# Altium PCB PCB.PcbDoc
Units mm, origin at the board's own origin, x right, y up, seen from the top; angles counter-clockwise.
Board outline 100 x 55 mm, 2 copper layers (Top Layer, Bottom Layer); 16 components, 26 nets, 101 pads, 4 vias.
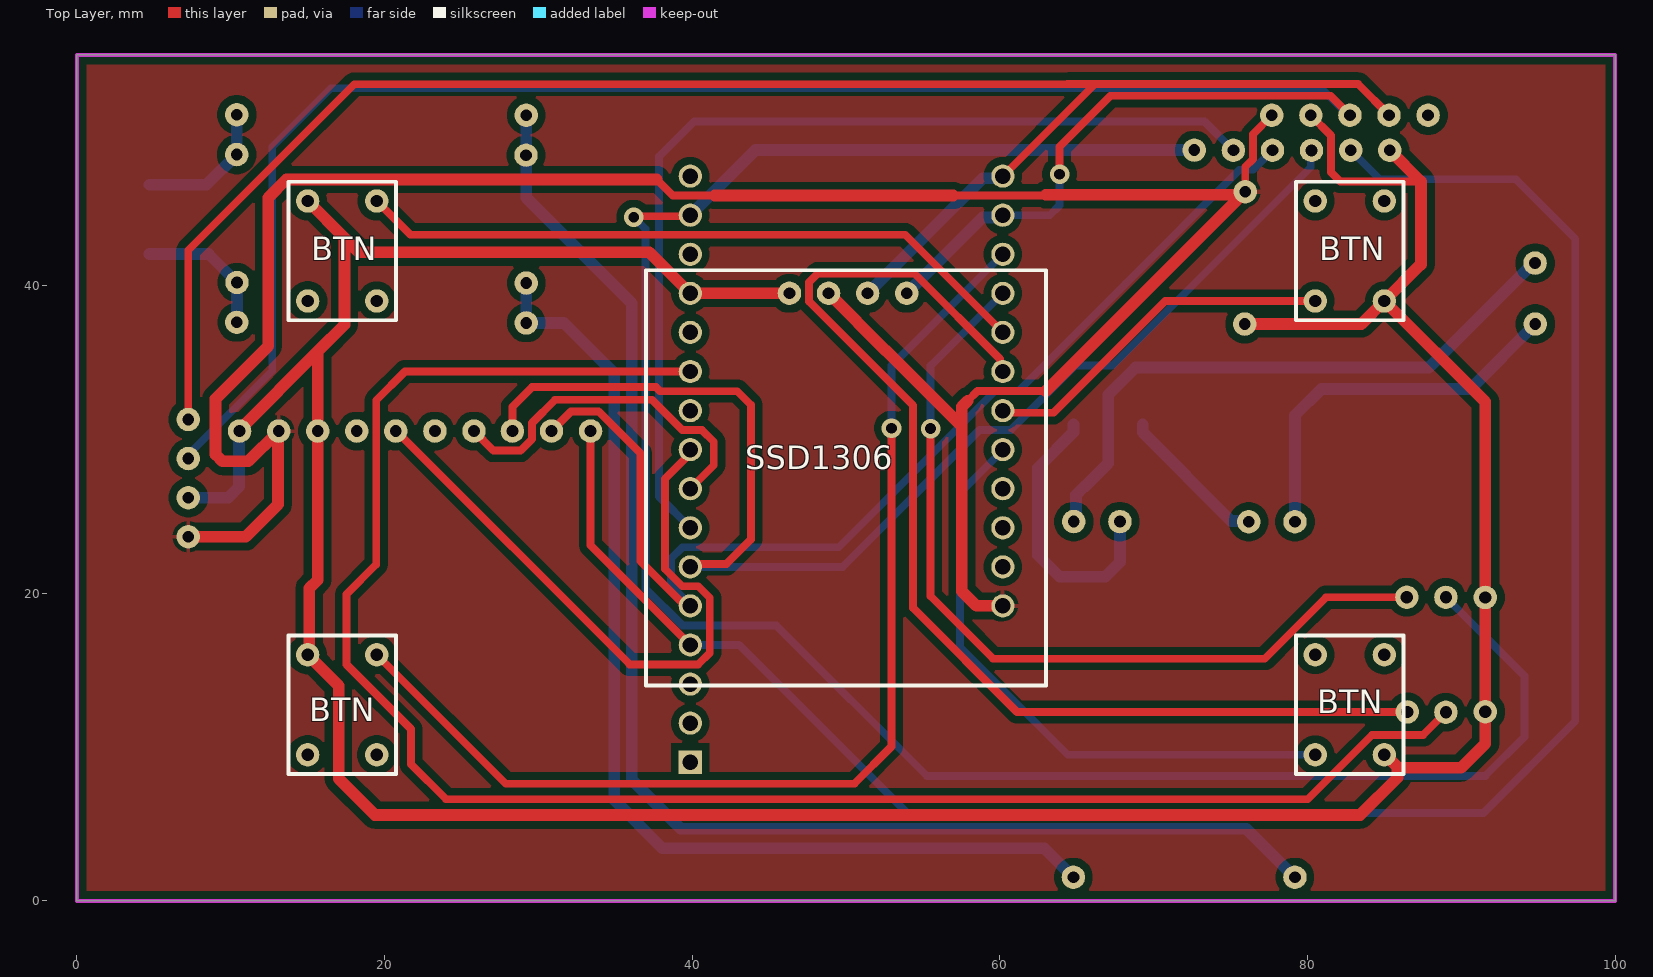
[diagram p0: Top Layer view]
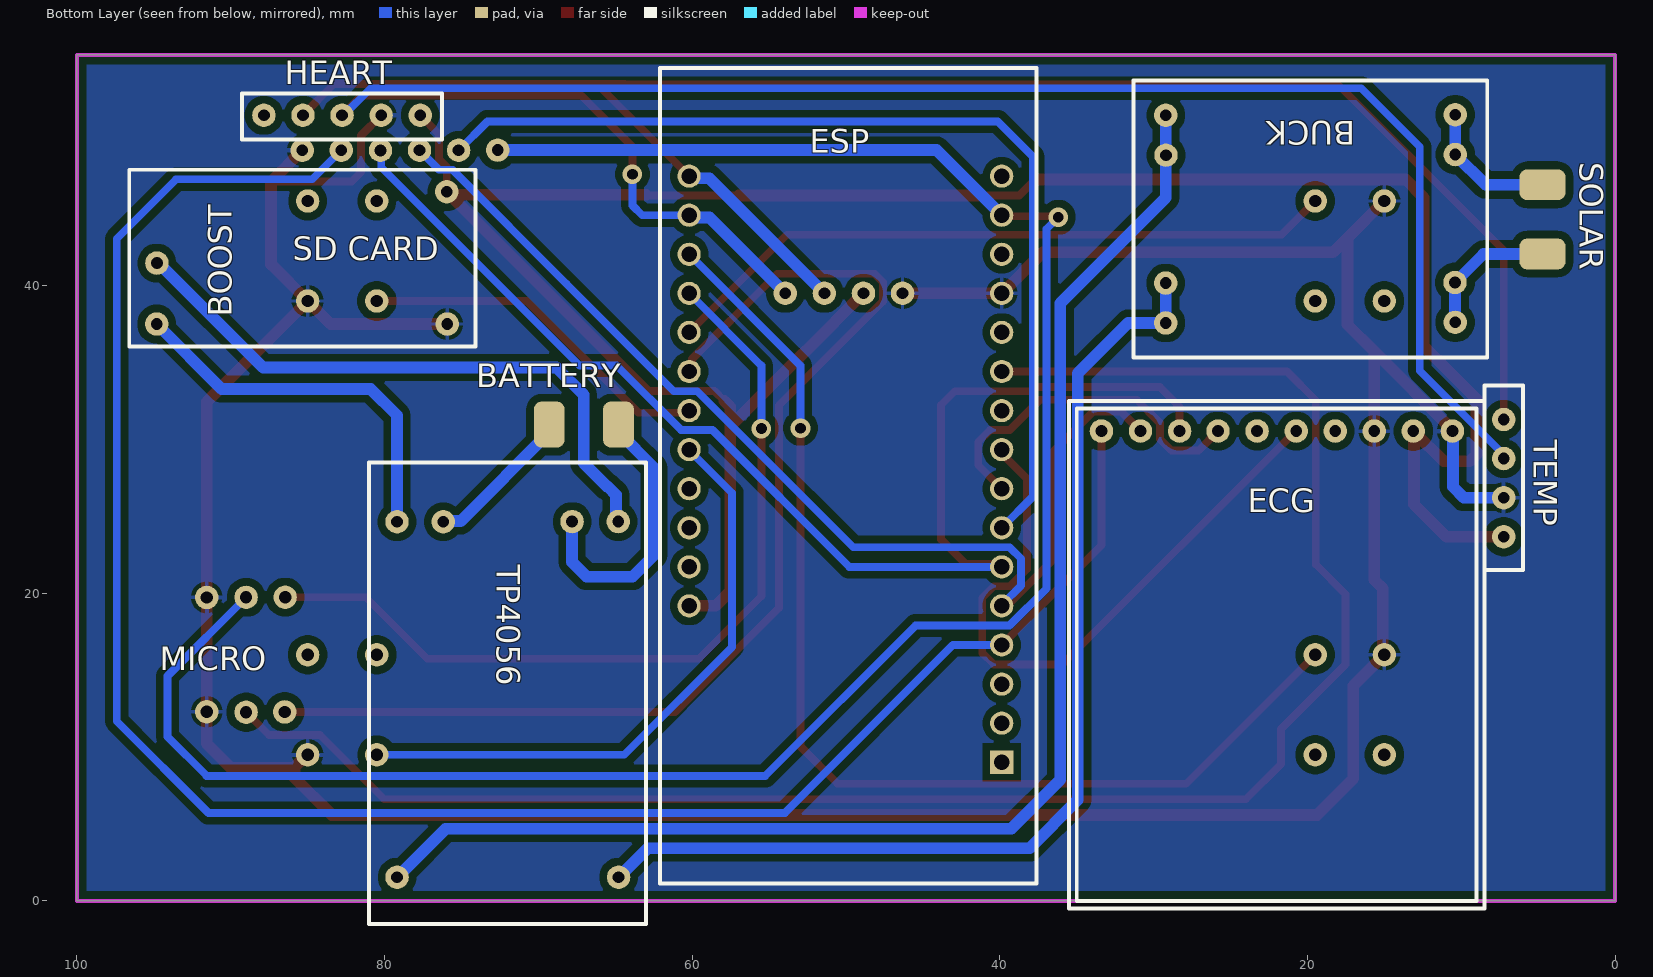
[diagram p1: Bottom Layer view, seen from below]

## Layer stack, top to bottom
Top Solder: solder mask 0.0102, Solder Resist, Dk 3.5
Top Layer: signal copper 0.0356
Dielectric 1: dielectric 0.32, FR-4, Dk 4.8
Bottom Layer: signal copper 0.0356
Bottom Solder: solder mask 0.0102, Solder Resist, Dk 3.5

## Board outline
0,0 100,0 100,55 0,55

## Design rules (kind name [scope] priority, off if disabled: settings)
Clearance [All] p1: gap=0.254 ignorepadtopadclearanceinfootprint=FALSE except(0.508: Arc-Fill Arc-Poly Arc-Region Track-Fill Track-Poly Track-Region SMDPad-Fill SMDPad-Poly SMDPad-Region THPad-Fill THPad-Poly THPad-Region Via-Fill Via-Poly Via-Region Fill-Fill Fill-Poly Fill-Region Fill-Text Poly-Poly Poly-Region Poly-Text Region-Region Region-Text)
HoleSize [All] p1: absolutevalues=TRUE maxlimit=1 minlimit=0.254 maxpercent=80.000 minpercent=20.000
PolygonConnect [All] p1: connectstyle=Relief reliefconductorwidth=0.254 reliefentries=4 polygonreliefangle="90 Angle" airgapwidth=0.254
RoutingVias [All] p1: holewidth=0.5 width=1.27 viastyle="Through Hole" minholewidth=0.3 minwidth=1.27 maxholewidth=0.8 maxwidth=1.27
SolderMaskExpansion [All] p1: expansion=0.102 istentingtop=FALSE
Width [All] p1: maxlimit=0.762 minlimit=0.254 preferedwidth=0.508
29 further rules are at their usual default settings.

## Classes and differential pairs
component class SENSOR: ECG HEART MICRO TEMP
component class SCREEN: BTN "SD CARD" v
component class POWER: BATTERY BOOST BUCK SOLAR TP4056

## Components (designator, comment, footprint, x,y, rotation, side; value= is the part's Value field where it differs from the comment)
BATTERY "PAD_SW" PAD_SW 66.929,30.988 r180 bottom
BOOST "BOOST_MODULE" BOOST_MODULE_MINI 85.471,41.91 r90 bottom
BTN "BUTTON" "BUTTON 4PIN" 17.25,12.75 r270 top (schematic designator BUTTON4)
BTN "BUTTON" "BUTTON 4PIN" 17.25,42.25 r270 top (schematic designator BUTTON3)
BTN "BUTTON" "BUTTON 4PIN" 82.75,12.75 r90 top (schematic designator BUTTON2)
BTN "BUTTON" "BUTTON 4PIN" 82.75,42.25 r90 top (schematic designator BUTTON1)
BUCK "MP1584EN_MODULE" MP1584EN_MODULE 19.812,44.831 r180 bottom
ECG "MAX30003" MAX30003 22,16 r270 bottom
ESP "ESP32_FEATHER_V2" ESP32_FEATHER_V2 38.604,2.638 r90 bottom
HEART "MAX30102_MODULE" MAX30102_module 82.757,57 r180 bottom
MICRO "INMP441_MODULE" INMP441_MODULE 89,16 r270 bottom
"SD CARD" "SD_CARD_MODULE" MICRO_SD_CARD_MODULE 79,41 r0 bottom
SOLAR "SOLAR" PAD_SW 4.699,44.196 r270 bottom
SSD1306 "SSD1306" SSD1306 50,27.5 r0 top
TEMP "MLX90614_MODULE" MLX90614_MODULE 15,27.5 r0 bottom
TP4056 "TP4056_MODULE" TP4056_MODULE 72,14 r270 bottom

## Footprints (in the part's own frame and the unit in brackets; to place one, negate y for a bottom-side part, rotate by r counter-clockwise, add the part's x,y. Pads: shape width x height; smd on the part's side, far side on the other; paste and mask are expansions set on the pad)
BOOST_MODULE_MINI [mil]
  round 60 hole 30: 1(-173.49,367.92) 2(-17.5,367.17) 3(165.33,-374.62) 4(-173.51,-376.22)
  silkscreen extent -231,-448 221,438, body extent -223,-433 214,425, height 252
"BUTTON 4PIN" [mm]
  round 1.524 hole 0.8: 1(-3.25,2.25) 2(3.25,2.25) 3(3.25,-2.25) 4(-3.25,-2.25)
  silkscreen extent -4.5,-3.5 4.5,3.5, body extent -3.78,-3 3.78,3.01, height 5
ESP32_FEATHER_V2 [mm]
  rect 1.508x1.508 hole 1: 1(6.379,1.274)
  round 1.508 hole 1: 2(8.919,1.274) 3(11.459,1.274) 4(13.999,1.274) 5(16.539,1.274) 6(19.079,1.274) 7(21.619,1.274) 8(24.159,1.274) 9(26.699,1.274) 10(29.239,1.274) 11(31.779,1.274) 12(34.319,1.274) 13(36.859,1.274) 14(39.399,1.274) 15(41.939,1.274) 16(44.479,1.274) 17(16.539,21.594) 18(19.079,21.594) 19(21.619,21.594) 20(24.159,21.594) 21(26.699,21.594) 22(29.239,21.594) 23(31.779,21.594) 24(34.319,21.594) 25(36.859,21.594) 26(39.399,21.594) 27(41.939,21.594) 28(44.479,21.594)
  silkscreen extent -1.5,-1 51.5,23.5, body extent -1.09,0 50.8,22.86, height 6.37
INMP441_MODULE [mil]
  round 60 hole 31.5: 1(-147.45,99.9) 2(-146.97,0) 3(-146.78,-100.7) 4(146.24,98.94) 5(146.97,0) 6(145.99,-100.87)
  body extent -271,-280 271,280, height 420
MAX30003 [mil]
  round 60 hole 30: CS(-572.64,-150.23) FCLK(-572.64,-50.23) GND(-572.64,249.77) GND(-572.64,449.77) INT1(-572.64,49.77) INT2(-572.64,149.77) MISO(-572.64,-448.58) MOSI(-572.64,-348.58) SCK(-572.64,-248.58) VCC(-572.64,349.77)
  silkscreen extent -650,-531 650,531
MAX30102_module [mil]
  round 60 hole 30: 1(-200.2,-233.5) 2(-100.2,-233.5) 3(-0.2,-233.5) 4(99.8,-233.5) 5(199.8,-233.5)
  silkscreen extent -256,-295 256,-177, body extent -250,-245 250,38, height 472
MICRO_SD_CARD_MODULE [mil]
  round 60 hole 30: 1(249.88,-306.96) 2(149.97,-307.38) 3(49.71,-306.75) 4(-50.16,-307.05) 5(-150.18,-307) 6(-250.14,-307.49)
  body extent -356,-356 356,456, height 369
MLX90614_MODULE [mil]
  round 60 hole 30: 1(-305.4,150.51) 2(-305.4,50.51) 3(-305.4,-49.49) 4(-305.4,-149.49)
  silkscreen extent -354,-236 -256,236, body extent -776,-344 -547,344, height 453
MP1584EN_MODULE [mil]
  round 60 hole 30: 1(370.54,247.41) 1(370.99,145.3) 2(370.24,-182.16) 2(370.69,-284.27) 3(-370,245.91) 3(-369.55,143.8) 4(-370.29,-183.65) 4(-369.85,-285.76)
  silkscreen extent -453,-374 453,335, body extent -441,-356 441,317, height 260
PAD_SW [mm]
  rrect50% 2x3 smd: 1(-2.358,-0.024) 2(2.142,-0.024)
SSD1306 [mil]
  round 60 hole 30: 1(155.3,472.44) 2(55.3,472.44) 3(-44.7,472.44) 4(-144.7,472.44)
  silkscreen extent -512,-531 512,531, body extent -500,-516 500,516, height 130
TP4056_MODULE [mil]
  round 60 hole 30: 1(-419.72,283.02) 2(-419.66,165.04) 3(-419.17,-164.54) 4(-419.16,-283.01) 5(490.42,284.11) 6(490.33,-282.91)
  silkscreen extent -571,-354 610,354, body extent -557,-343 596,343, height 281

## Part data
BTN BTN BTN BTN: "6X6X5mm"
ESP: "ESP32 Feather V2"
SOLAR: library part PAD_SW
SSD1306: "0.96 inch, 128x64"

## Via types
v1: diameter 1.27, hole 0.7, Top Layer to Bottom Layer, 4 vias

## Nets (pads, with @x,y where several pads share a name; then routed paths per layer and width w, separated by ;. In a path a pad name is that pad's centre, name@x,y a point inside that pad or via, vN(x,y) a via of type N, cw(c..) or ccw(c..) an arc to the next point about the centre after c; other vN are vias at no path point)
3.3V: "SD CARD.6" ESP.15 MICRO.2 | length 137.1
  Top Layer w0.508: v1(36.195,44.45) 36.258,44.514 39.814,44.514 ESP.15
  Bottom Layer w0.508: v1(36.195,44.45) 36.957,43.688 36.957,20.313 39.371,17.9 45.473,17.9 55.245,8.128 91.567,8.128 94.107,10.668 94.107,14.626 MICRO.2
  Bottom Layer w0.762: ESP.15 44.111,48.81 72.647,48.81
5V: BOOST.3 ECG.VCC ESP.17 HEART.5 SSD1306.3 TEMP.1 | length 155.9
  Top Layer w0.508: 37.694,46.897 38.736,45.855 41.467,45.855 ; 56.972,45.855 62.932,45.855 ; 57.912,32.512 58.547,33.147 62.993,33.147 ; BOOST.3 75.956,47.726 76.455,48.226 76.455,49.842 HEART.5
  Top Layer w0.762: TEMP.1 10.977,23.677 13.081,25.781 ECG.VCC@13.081,30.51 ; ECG.VCC ECG.VCC@13.081,30.51 ; 37.694,46.897 13.623,46.897 12.446,45.72 12.446,36.068 9.017,32.639 9.017,29.021 9.463,28.575 11.146,28.575 ECG.VCC@13.081,30.51 ; 41.467,45.855 56.972,45.855 ; SSD1306.3 52.622,35.743 52.649,35.743 57.531,30.861 ; 57.912,32.512 57.531,32.131 57.531,30.861 ; ESP.17@60.094,19.039 59.951,19.181 58.481,19.181 57.531,20.131 57.531,30.861 ; 62.987,45.909 75.432,45.909 75.486,45.964 BOOST.3@75.81,45.964 ; 62.993,33.147 BOOST.3@75.432,45.586 ; BOOST.3@75.541,45.694 BOOST.3@75.81,45.964 ; BOOST.3 BOOST.3@75.81,45.964
CS1: ECG.CS ESP.8 | length 22.9
  Top Layer w0.508: ECG.CS 27.086,29.275 28.84,29.275 29.584,30.019 29.584,31.071 31.09,32.577 37.393,32.577 39.355,30.615 40.632,30.615 41.402,29.845 41.402,28.321 ESP.8
GND: "SD CARD.1" BOOST.4 BTN.4 ECG.GND ESP.13 HEART.4 MICRO.3 MICRO.6 SSD1306.4 TEMP.2 | length 227.5
  Top Layer w0.508: HEART.4 81.533,49.758 81.533,47.372 82.135,46.77 85.526,46.77 85.528,46.768 87.376,46.768
  Top Layer w0.762: ECG.GND@10.576,30.545 10.576,30.642 15.656,35.722 ; BTN.4@15,45.5 17.423,43.077 ; ESP.13@39.757,39.376 39.757,39.618 37.211,42.164 18.336,42.164 17.423,43.077 ; ESP.13 39.879,39.498 46.323,39.498 SSD1306.4 ; BOOST.4 83.503,37.503 BTN.4@85,39 ; BTN.4@85,9.5 85.05,9.5 85.902,8.648 89.985,8.648 91.562,10.225 MICRO.6 91.56,12.294 91.56,19.726 MICRO.3 91.558,32.442 BTN.4@85,39 ; 85.347,48.797 87.376,46.768 87.376,41.376 BTN.4@85,39 ; 85.852,8.598 85.852,8.017 83.423,5.588 19.369,5.588 17.018,7.939 17.018,13.982 15,16 15.113,16.113 15.113,20.32 15.656,20.863 15.656,30.545 15.656,35.722 ; 15.656,35.722 17.399,37.465 17.399,43.053 17.423,43.077
  Bottom Layer w0.762: TEMP.2 9.834,26.217 10.541,26.924 10.541,30.51 ECG.GND@10.576,30.545
INT: ECG.INT1 ESP.9 | length 42.7
  Top Layer w0.508: ECG.INT1 20.763,30.545 35.933,15.375 40.401,15.375 41.14,16.114 41.14,19.7 40.385,20.455 39.355,20.455 38.227,21.583 38.227,27.432 39.878,29.083 ESP.9
IO12: BTN.1@80.5,9.5 ESP.21 | length 39.9
  Top Layer w0.381: ESP.21 ESP.21@60.288,29.427
  Bottom Layer w0.508: ESP.21@60.094,29.199 57.404,26.508 57.404,16.51 64.414,9.5 BTN.1@80.5,9.5
IO14: BTN.1@19.5,16 ESP.26 | length 72.9
  Top Layer w0.508: BTN.1@19.5,16 27.88,7.62 50.546,7.62 52.959,10.033 v1(52.959,30.734)
  Bottom Layer w0.508: v1(52.959,30.734) 52.959,34.798 ESP.26
IO15: BTN.1@19.5,45.5 ESP.24 | length 44.1
  Top Layer w0.508: BTN.1@19.5,45.5 21.693,43.307 53.848,43.307 ESP.24@60.094,37.061
IO27: BTN.1@80.5,39 ESP.22 | length 23.4
  Top Layer w0.508: ESP.22@60.094,31.739 63.489,31.739 70.75,39 BTN.1@80.5,39
MISO: "SD CARD.2" ECG.MISO ESP.4 | length 129.5
  Top Layer w0.508: ECG.MISO 33.394,23.121 ESP.4
  Bottom Layer w0.508: ESP.4 43.053,16.637 53.975,5.715 91.44,5.715 97.409,11.684 97.409,43.053 93.549,46.913 84.704,46.913 82.809,48.807
MOSI: "SD CARD.4" ECG.MOSI ESP.5 | length 72.6
  Top Layer w0.508: ECG.MOSI 32.124,31.815 33.92,31.815 36.642,29.093 36.642,22.091 39.364,19.368 39.687,19.368 ESP.5
  Bottom Layer w0.508: ESP.5 39.878,19.247 38.616,20.509 38.616,22.24 39.371,22.995 49.531,22.995 59.675,33.139 61.189,33.139 68.149,40.099 75.578,47.528 76.454,47.528 77.726,48.799
NetBATTERY_1: BATTERY.1 TP4056.3 | length 9.8
  Bottom Layer w0.762: BATTERY.1 69.287,30.464 75.057,24.695 76.132,24.695 TP4056.3
NetBATTERY_2: BATTERY.2 TP4056.2 | length 18.4
  Bottom Layer w0.762: BATTERY.2 64.787,30.464 62.484,28.161 62.484,22.479 63.881,21.082 66.864,21.082 67.808,22.026 TP4056.2
NetBOOST_1: BOOST.1 TP4056.4 | length 25
  Bottom Layer w0.762: TP4056.4 79.188,31.563 80.899,33.274 90.587,33.274 BOOST.1
NetBOOST_2: BOOST.2 TP4056.1 | length 40.5
  Bottom Layer w0.762: TP4056.1 64.957,24.807 64.957,26.411 65.47,26.924 65.532,26.924 67.056,28.448 67.056,32.906 68.821,34.671 87.884,34.671 94.679,41.466 BOOST.2
NetBUCK_1: BUCK.1 SOLAR.1 | length 9.1
  Bottom Layer w0.762: SOLAR.1 8.422,46.554 10.389,48.522 10.395,48.527 10.395,51.109 BUCK.1@10.4,51.115
NetBUCK_2: BUCK.2 SOLAR.2 | length 9
  Bottom Layer w0.762: SOLAR.2 8.558,42.054 10.408,40.204 10.402,40.198 10.402,37.616 BUCK.2@10.397,37.611
NetBUCK_3: BUCK.3 TP4056.6 | length 91.8
  Bottom Layer w0.762: BUCK.3@29.21,51.077 29.204,51.072 29.204,48.489 29.199,48.484 29.21,48.472 29.21,45.72 36.068,38.862 36.068,7.874 39.243,4.699 76.032,4.699 TP4056.6
NetBUCK_4: BUCK.4 TP4056.5 | length 69.3
  Bottom Layer w0.762: BUCK.4@29.217,40.166 29.212,40.161 29.212,37.578 29.206,37.573 31.642,37.573 34.925,34.29 34.925,6.564 38.06,3.429 62.898,3.429 TP4056.5
SCK: "SD CARD.3" ECG.SCK ESP.6 | length 83.7
  Top Layer w0.508: ECG.SCK 28.314,32.124 29.591,33.401 37.647,33.401 37.909,33.139 42.934,33.139 43.815,32.258 43.815,23.495 42.228,21.908 40.069,21.908 ESP.6
  Bottom Layer w0.508: ESP.6 49.784,21.717 58.682,30.615 60.721,30.615 64.904,34.798 67.31,34.798 80.213,47.701 80.213,48.742 80.263,48.791
SCK1: ESP.23 MICRO.4 | length 74.7
  Top Layer w0.508: ESP.23 60.007,34.608 60.007,35.234 54.471,40.77 48.149,40.77 47.595,40.215 47.595,38.974 54.356,32.213 54.356,19.05 61.121,12.285 MICRO.4
SCL: ESP.27 HEART.3 SSD1306.1 TEMP.3 | length 131.8
  Top Layer w0.508: v1(63.881,47.244) 63.881,49.022 67.198,52.339 81.492,52.339 HEART.3
  Bottom Layer w0.508: TEMP.3 7.243,29.008 12.7,34.465 12.7,49.022 16.51,52.832 80.899,52.832 82.662,51.069 HEART.3 ; ESP.27 63.246,44.577 63.881,45.212 v1(63.881,47.244)
  Bottom Layer w0.762: SSD1306.1 58.879,44.434 60.055,44.434 ESP.27
SD: ESP.25 MICRO.1 | length 55.9
  Top Layer w0.508: v1(55.499,30.706) 55.499,19.812 59.563,15.748 77.216,15.748 81.213,19.745 MICRO.1
  Bottom Layer w0.508: v1(55.499,30.706) 55.499,34.798 ESP.25
"SD CS": "SD CARD.5" ESP.7 | length 64
  Bottom Layer w0.508: ESP.7 37.846,26.289 37.846,48.387 40.132,50.673 73.31,50.673 75.185,48.798
SDA: ESP.28 HEART.2 SSD1306.2 TEMP.4 | length 115.1
  Top Layer w0.508: TEMP.4 7.243,42.295 18.034,53.086 64.389,53.086 64.404,53.101 66.182,53.101 ; ESP.28 66.04,52.959 66.182,53.101 ; HEART.2 85.302,51.096 83.297,53.101 66.182,53.101
  Bottom Layer w0.508: SSD1306.2@51.225,39.68 SSD1306.2
  Bottom Layer w0.762: SSD1306.2 58.879,46.974 60.055,46.974 ESP.28
WS: ESP.11 MICRO.5 | length 118
  Top Layer w0.508: ESP.11 21.336,34.417 19.466,32.547 19.466,21.879 17.526,19.939 17.526,15.367 21.717,11.176 21.717,8.89 24.003,6.604 80.01,6.604 84.201,10.795 87.528,10.795 MICRO.5
pads on no net: BTN.2 BTN.3 ECG.FCLK ECG.INT2 ESP.1 ESP.2 ESP.3 ESP.10 ESP.12 ESP.14 ESP.16 ESP.18 ESP.19 ESP.20 HEART.1

## Polygon pours and split planes (outlines as drawn)
5V on Top Layer "5V_L01_P001" (solid, pour order 1): 0,55 0,0 100,0 100,55
GND on Bottom Layer "GND_L02_P002" (solid, pour order 2): 0,0 0,55 100,55 100,0

## Keep-outs
Keep-Out Layer:
  the board outline again, w0.254